# Altium PCB SI945D.PCBDOC (part 1 of 2) (continued)
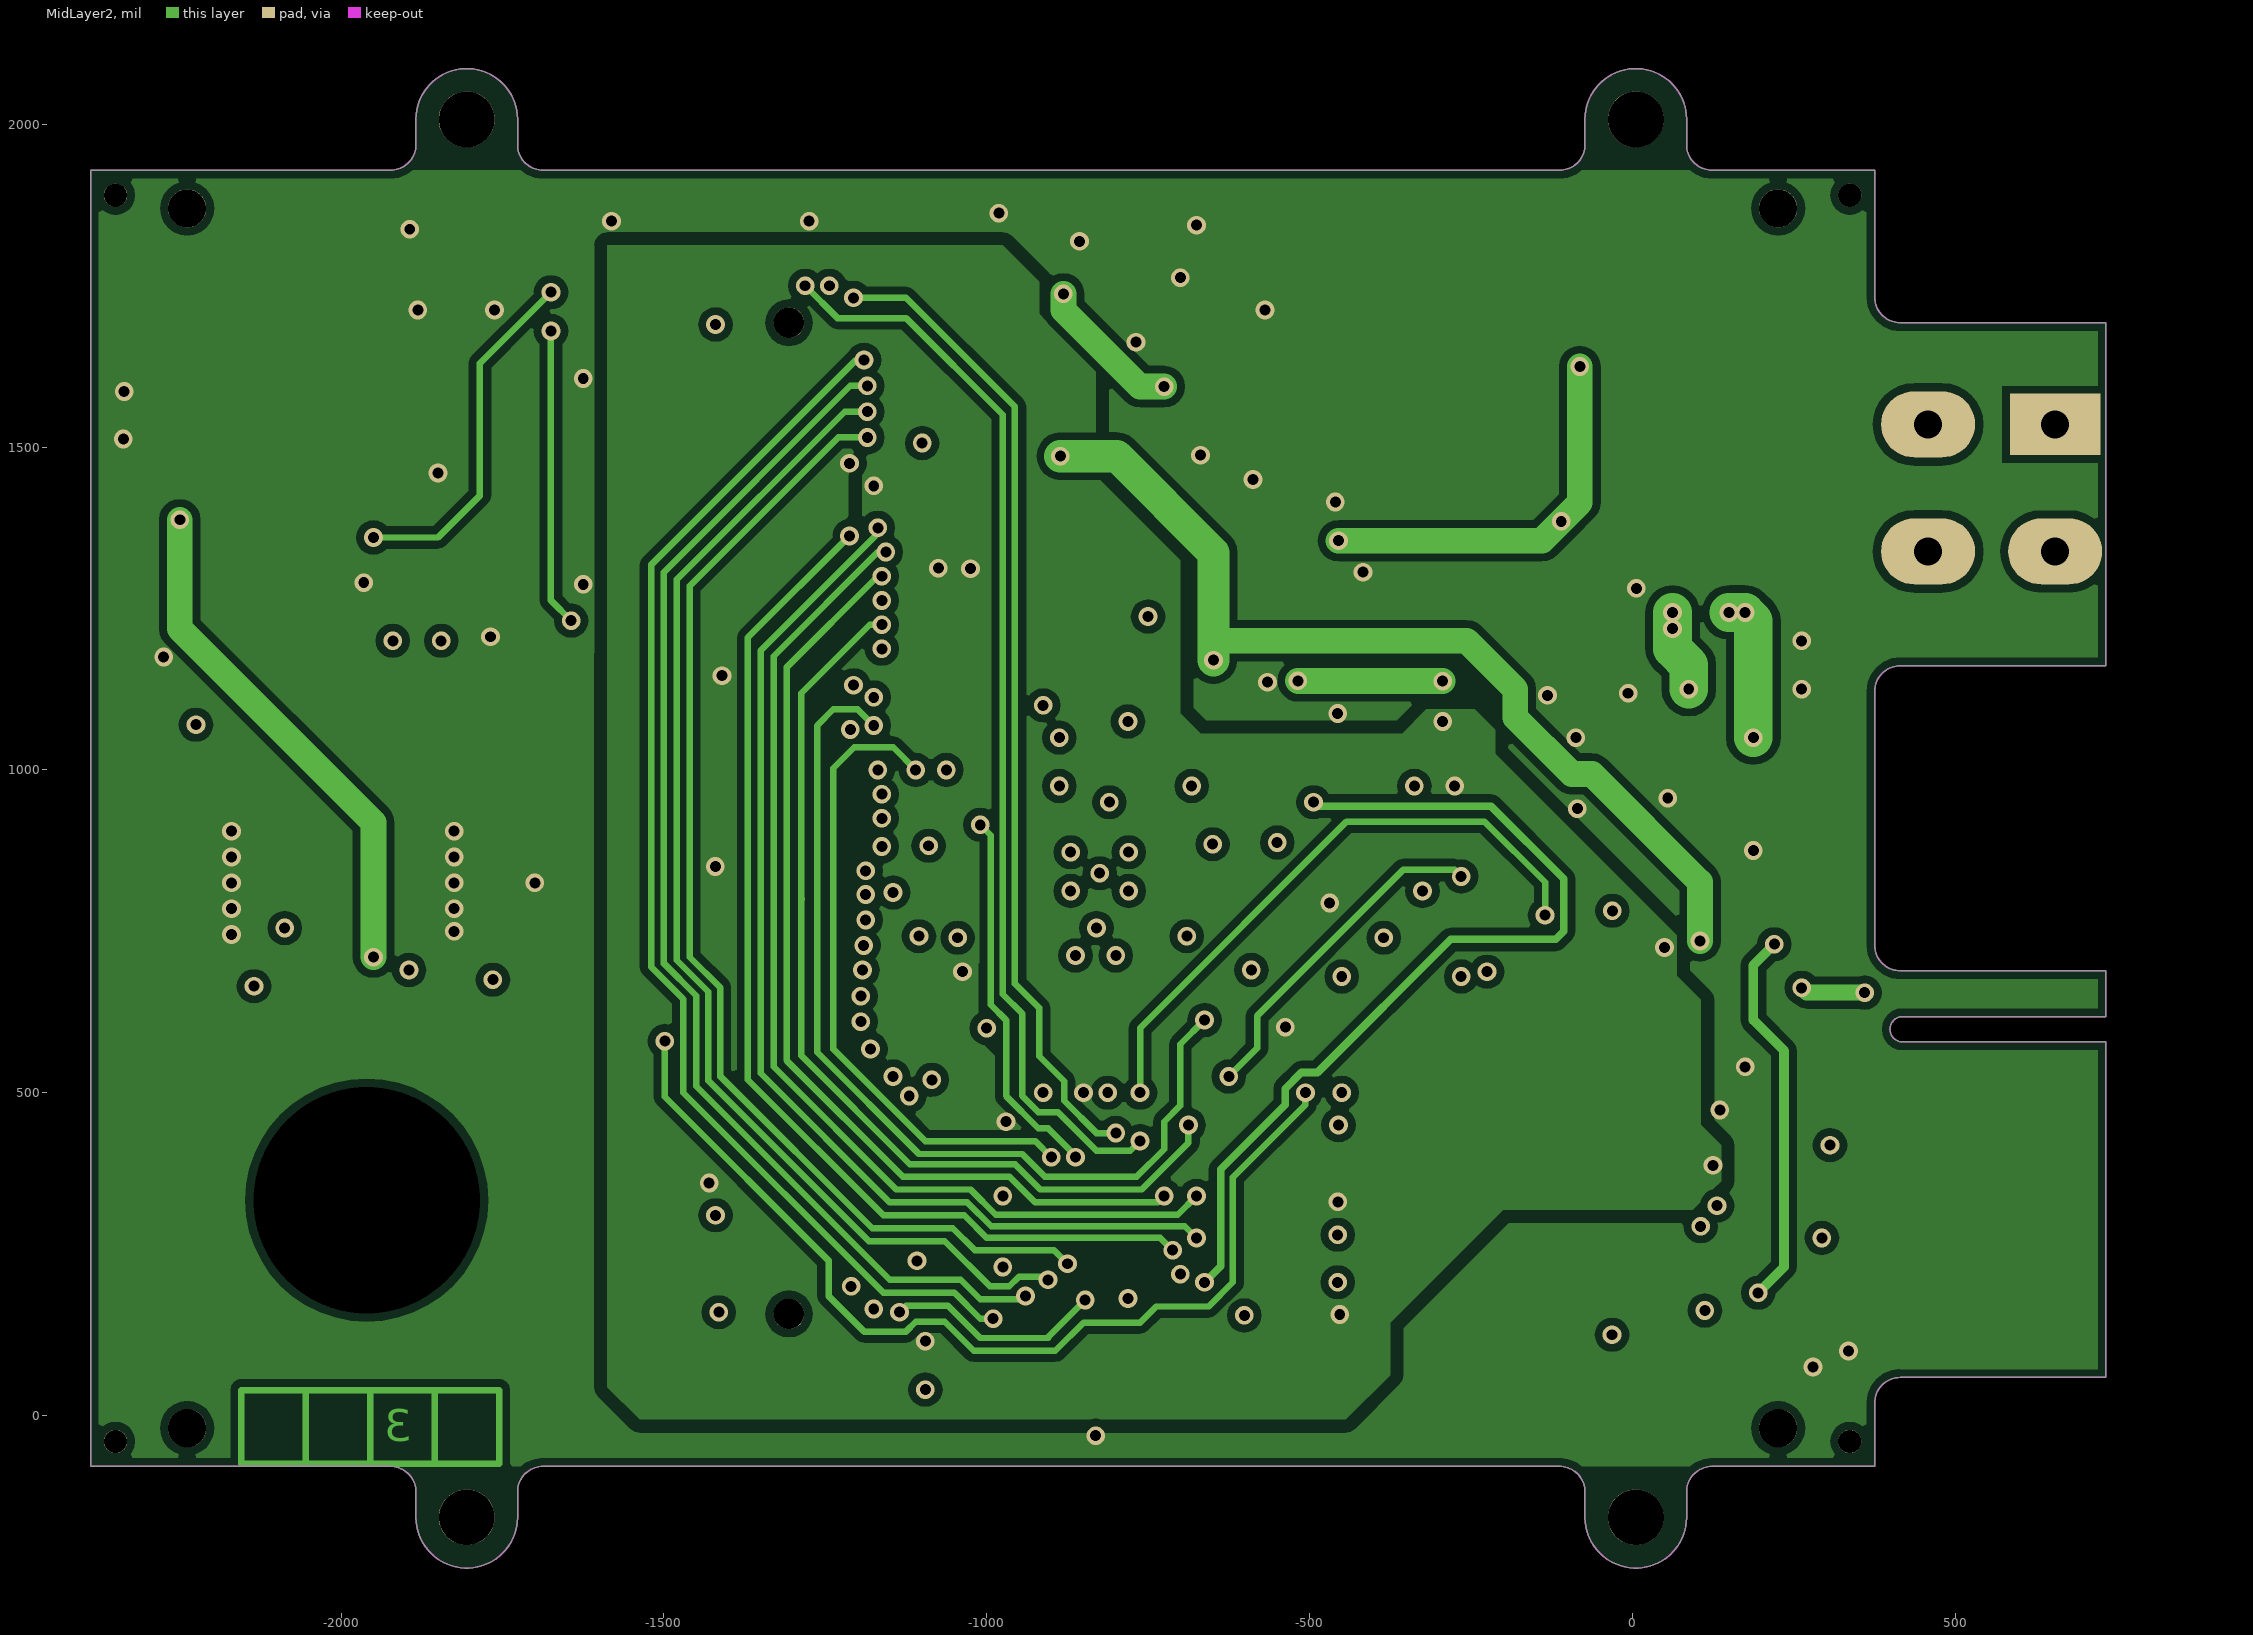
[diagram p3: MidLayer2]
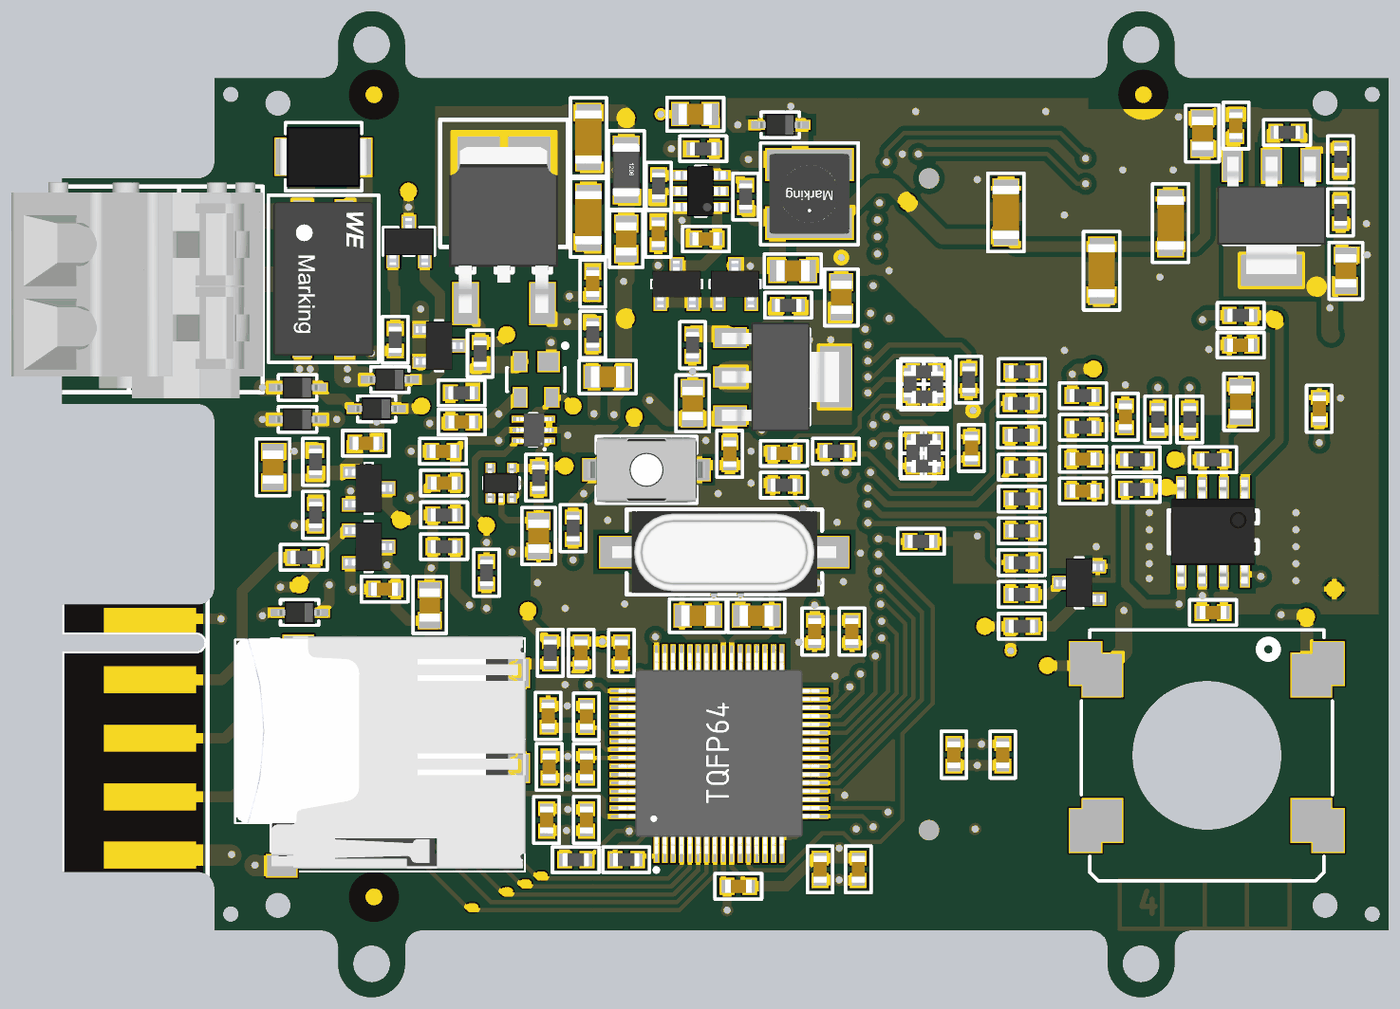
[diagram p5: 3D render of the assembled board from below, using the file's embedded part models]

## Layer stack, top to bottom
Top Mask: solder mask 0.4, Solder Resist, Dk 3.5
Top: signal copper 1.378
Dielectric1: prepreg 15.748, FR-4, Dk 4.8
MidLayer1: signal copper 1.378
Dielectric2: core 27.9528, FR-4, Dk 4.8
MidLayer2: signal copper 1.378
Dielectric3: prepreg 15.748, FR-4, Dk 4.8
Bottom: signal copper 0.7087
Bot Mask: solder mask 0.4, Solder Resist, Dk 3.5

## Board outline
-1884.25,-157.68 -1884.25,-118.31 ccw(c-1923.62,-118.31) -1923.62,-78.94 -2388.19,-78.94 -2388.19,1928.94 -1923.62,1928.94 ccw(c-1923.62,1968.31) -1884.25,1968.31 -1884.25,2007.68 cw(c-1805.51,2007.68) -1726.77,2007.68 -1726.77,1968.31 ccw(c-1687.4,1968.31) -1687.4,1928.94 -112.6,1928.94 ccw(c-112.6,1968.31) -73.23,1968.31 -73.23,2007.68 cw(c5.51,2007.68) 84.25,2007.68 84.25,1968.31 ccw(c123.62,1968.31) 123.62,1928.94 375.59,1928.94 375.59,1732.09 ccw(c414.96,1732.09) 414.96,1692.72 733.86,1692.72 733.86,1161.22 414.96,1161.22 ccw(c414.96,1121.85) 375.59,1121.85 375.59,728.15 ccw(c414.96,728.15) 414.96,688.78 733.86,688.78 733.86,617.91 418.9,617.91 ccw(c418.9,598.23) 418.9,578.54 733.86,578.54 733.86,58.86 414.96,58.86 ccw(c414.96,19.49) 375.59,19.49 375.59,-78.94 123.62,-78.94 ccw(c123.62,-118.31) 84.25,-118.31 84.25,-157.68 cw(c5.51,-157.68) -73.23,-157.68 -73.23,-118.31 ccw(c-112.6,-118.31) -112.6,-78.94 -1687.4,-78.94 ccw(c-1687.4,-118.31) -1726.77,-118.31 -1726.77,-157.68 cw(c-1805.51,-157.68)

## Design rules (kind name [scope] priority, off if disabled: settings)
Clearance Clearance_BT_MID [IsElectrical      and (InNetClass('BT')) and OnMid     and not IsRegion vs IsElectrical      and not (InNetClass('BT')) and OnMid          and not IsRegion] p1 off: gap=27.56
Clearance Clearance_BT_EXT [IsElectrical      and (InNetClass('BT')) and not OnMid vs IsElectrical      and not (InNetClass('BT'))    and not OnMid] p2 off: gap=216.54
Clearance Clearance_Copper_Copper [IsRegion vs IsRegion] p3: gap=20
Clearance Clearance_Copper_MID [IsRegion      and OnMid vs IsPad] p4: gap=12.5
Clearance Clearance_Copper_EXT [IsRegion        and not OnMid vs IsPad         and not OnMid] p5: gap=13.78
Clearance Clearance_x_CopperToWire [IsRegion vs (not IsPad)] p6: gap=11.81
Clearance Clearance_x_PadToPad [IsElectrical      and IsPad vs IsElectrical      and IsPad] p7: gap=5.91
Clearance Clearance_x_PadToLine [IsElectrical      and IsPad vs IsElectrical      and IsWire] p8: gap=5.91
Clearance Clearance_x_WireToWire [IsWire vs IsWire] p9: gap=5.91
Clearance Clearance_x_ViaToPad [IsVia vs IsPad] p10: gap=5.91
Clearance Clearance_x_ViaToWire [IsVia vs IsWire] p11: gap=5.91
Clearance Clearance_x_ViaToVia [ExistsOnLayer('Top') And IsVia vs ExistsOnLayer('Top') And IsVia] p12: gap=5.91
Clearance Clearance_Design_HoleToHole [(IsVia Or IsThruPin) vs (IsVia Or IsThruPin)] p13: gap=5.91
ComponentClearance [All] p1: gap=10 collisioncheckmode=3 verticalgap=100000 showdistances=FALSE
FabricationTestPointUsage TestPointUsage [All] p1: valid=0 allowmultiple=FALSE
FabricationTestpoint Testpoint [All] p1: side=3 testpointundercomponent=TRUE minsize=40 maxsize=100 preferedsize=60 minholesize=0 maxholesize=40 preferedholesize=32 testpointgrid=1 allowsidetop=TRUE allowsidebottom=TRUE usegrid=TRUE gridtolerance=0.01
HoleSize [All] p1: absolutevalues=TRUE maxlimit=400 minlimit=1 maxpercent=80.000 minpercent=20.000
MinimumSolderMaskSliver [All] p1: minsoldermaskwidth=4
PasteMaskExpansion [All] p1: expansion=-2
PlaneClearance [All] p1: clearance=12
PlaneConnect [All] p1: planeconnectstyle=Direct reliefexpansion=0 reliefentries=4 reliefconductorwidth=10 reliefairgap=10
PolygonConnect PolygonConnect_1 [IsVia vs IsPolygon] p1: connectstyle=Direct reliefconductorwidth=10 reliefentries=4 polygonreliefangle="90 Angle" airgapwidth=10
PolygonConnect [IsPad vs IsPolygon] p2: connectstyle=Relief reliefconductorwidth=12 reliefentries=4 polygonreliefangle="90 Angle" airgapwidth=10
RoutingVias [All] p1: holewidth=17 width=29 viastyle="Through Hole" minholewidth=17 minwidth=29 maxholewidth=17 maxwidth=29
ShortCircuit [IsElectrical vs IsElectrical] p1: allowed=FALSE
SilkToSolderMaskClearance SilkscreenOverComponentPads [IsPad] p1: minsilkscreentomaskgap=10 clearancetoexposedcopper=TRUE
SolderMaskExpansion [All] p1: expansion=4
Width [All] p1: maxlimit=300 minlimit=6 preferedwidth=15 minimp=50.000000 maximp=50.000000 favimp=50.000000
20 further rules are at their usual default settings.

## Components (designator, comment, footprint, x,y, rotation, side; value= is the part's Value field where it differs from the comment)
C1 "C_0603_NPO_5%_1N-50V" 0603_ReflowSoldering_CAP -965,1045 r180 bottom
C2 "C_0603_NPO_5%_1N-50V" 0603_ReflowSoldering_CAP -1406.25,1057.65 r270 bottom
C3 "C_0603_X7R_10%_10N-50V" 0603_ReflowSoldering_CAP -781.25,1550 r180 bottom
C4 "C_0805_X5R_10%_10U-25V" 0805_ReflowSoldering_CAP#1 -593.75,1550 r90 bottom
C5 "C_0603_X7R_10%_100N-50V" 0603_ReflowSoldering_CAP -668.75,1562.5 r270 bottom
C6 "C_0805_X5R_10%_10U-16V" 0805_ReflowSoldering_CAP#1 -986,1475 r0 bottom
C7 "C_0805_X5R_10%_10U-16V" 0805_ReflowSoldering_CAP#1 -1950,1798.5 r270 bottom
C8 "C_0603_X7R_10%_100N-50V" 0603_ReflowSoldering_CAP -2028.95,1817.19 r90 bottom
C9 "C_0805_X5R_10%_10U-16V" 0805_ReflowSoldering_CAP#1 -2287.5,1475 r270 bottom
C10 "C_0603_X7R_10%_100N-50V" 0603_ReflowSoldering_CAP -25,725 r180 bottom
C11 "C_0805_X5R_10%_10U-16V" 0805_ReflowSoldering_CAP#1 -750,1162.5 r270 bottom
C12 "C_0603_X7R_10%_100N-50V" 0603_ReflowSoldering_CAP -837.5,1043.75 r270 bottom
C13 "C_0805_X5R_10%_10U-16V" 0805_ReflowSoldering_CAP#1 -1100,1412.5 r270 bottom
C14 "C_0603_X7R_10%_100N-50V" 0603_ReflowSoldering_CAP -1975,670 r0 bottom
C15 "C_0603_X7R_10%_100N-50V" 0603_ReflowSoldering_CAP -1668.75,1031.25 r0 bottom
C16 "C_0603_X7R_10%_100N-50V" 0603_ReflowSoldering_CAP -1768.75,1131.25 r270 bottom
C17 "C_0603_X7R_10%_10N-50V" 0603_ReflowSoldering_CAP -1668.75,956.25 r0 bottom
C18 "C_0603_X7R_10%_100N-50V" 0603_ReflowSoldering_CAP -2225,1150 r270 bottom
C19 "C_0805_NPO_5%_470P-100V" 0805_ReflowSoldering_CAP#1 237.5,1012.5 r90 bottom
C20 "C_1206_X5R_20%_22U-25V" 1206_ReflowSoldering_CAP -505,1600 r270 bottom
C21 "C_0603_X7R_10%_100N-50V" 0603_ReflowSoldering_CAP -206.58,1118.75 r180 bottom
C22 "C_0603_X7R_10%_100N-50V" 0603_ReflowSoldering_CAP -515,1445 r90 bottom
C23 "C_0805_X5R_10%_1U-25V" 0805_ReflowSoldering_CAP#2 -550,1225 r0 bottom
C24 "C_0603_X7R_10%_100N-50V" 0603_ReflowSoldering_CAP -165,975 r180 bottom
C25 "C_0603_X7R_10%_100N-50V" 0603_ReflowSoldering_CAP -162.5,1050 r180 bottom
C26 "C_0805_NPO_5%_470P-100V" 0805_ReflowSoldering_CAP#1 -387.5,850 r90 bottom
C27 "C_0603_X5R_10%_4.7U-6.3V" 0603_ReflowSoldering_CAP -1125,625 r90 bottom
C28 "C_0603_X7R_10%_100N-50V" 0603_ReflowSoldering_CAP -1037.5,625 r90 bottom
C29 "C_0603_X5R_10%_4.7U-6.3V" 0603_ReflowSoldering_CAP -1050,65 r90 bottom
C30 "C_0603_X7R_10%_100N-50V" 0603_ReflowSoldering_CAP -1140,65 r90 bottom
C31 "C_0603_X5R_10%_4.7U-6.3V" 0603_ReflowSoldering_CAP -582.5,575 r90 bottom
C32 "C_0603_X7R_10%_100N-50V" 0603_ReflowSoldering_CAP -487.5,575 r90 bottom
C33 "C_0603_X5R_10%_4.7U-6.3V" 0603_ReflowSoldering_CAP -412.5,306.25 r90 bottom
C34 "C_0603_X7R_10%_100N-50V" 0603_ReflowSoldering_CAP -500,306.25 r90 bottom
C35 "C_0603_X5R_10%_4.7U-6.3V" 0603_ReflowSoldering_CAP -857.65,25 r180 bottom
C36 "C_0603_X7R_10%_100N-50V" 0603_ReflowSoldering_CAP -406.25,181.25 r270 bottom
C37 "C_0603_X5R_10%_4.7U-6.3V" 0603_ReflowSoldering_CAP -410,426.4 r270 bottom
C38 "C_0603_X7R_10%_100N-50V" 0603_ReflowSoldering_CAP -500,425 r270 bottom
C39 "C_0805_NPO_5%_22P-100V" 0805_ReflowSoldering_CAP#1 -900,662.5 r180 bottom
C40 "C_0805_NPO_5%_22P-100V" 0805_ReflowSoldering_CAP#1 -762.5,662.5 r0 bottom
C41 "C_0603_X7R_10%_100N-50V" 0603_ReflowSoldering_CAP -500,181.25 r270 bottom
C42 "C_0603_X5R_10%_4.7U-6.3V" 0603_ReflowSoldering_CAP -1365,335 r90 bottom
C43 "C_0603_X7R_10%_100N-50V" 0603_ReflowSoldering_CAP -1480,335 r90 bottom
C44 "C_0805_X5R_10%_1U-25V" 0805_ReflowSoldering_CAP#2 -2040,1166.02 r270 bottom
C45 "C_0603_X7R_10%_100N-50V" 0603_ReflowSoldering_CAP -2040,1300 r180 bottom
C46 "C_0603_NPO_5%_1N-50V" 0603_ReflowSoldering_CAP 18.75,1068.75 r0 bottom
C47 "C_1206_X5R_20%_100U-10V" 1206_ReflowSoldering_CAP -1712.5,1475 r90 bottom
C48 "C_1206_X5R_20%_22U-25V" 1206_ReflowSoldering_CAP -505,1790 r90 bottom
C49 "C_1206_X5R_20%_100U-10V" 1206_ReflowSoldering_CAP -1875,1587.5 r270 bottom
C50 "C_1206_X5R_20%_100U-10V" 1206_ReflowSoldering_CAP -1487.5,1612.5 r270 bottom
C51 "C_0805_NPO_5%_470P-100V" 0805_ReflowSoldering_CAP#2 -131.25,687.5 r90 bottom
C52 "C_0805_NPO_5%_22P-100V" 0805_ReflowSoldering_CAP#1 -756.25,1843.75 r180 bottom (schematic designator C39)
D1 "BZX84C2V7" SOT23_3L_ReflowSoldering#1 -850,1443.75 r270 bottom
D2 "BAT54C" SOT23_3L_ReflowSoldering#1 -712.5,1443.75 r270 bottom
D3 "PMEG2020AEA" SOD323_ReflowSoldering -956.25,1818.75 r0 bottom
D4 "PMEG2020AEA" SOD323_ReflowSoldering 175,670 r0 bottom
D5 "PMEG4010CEJ" SOD323_ReflowSoldering -6.25,1150 r0 bottom
D6 "PMEG4010CEJ" SOD323_ReflowSoldering -37.5,1218.75 r0 bottom
D7 "SMBJ16CA" DO214AA-SMB-NP_ReflowSoldering 118.75,1743.75 r180 bottom
D8 "PMEG4010CEJ" SOD323_ReflowSoldering 180,1125 r0 bottom
D9 "PMEG4010CEJ" SOD323_ReflowSoldering 180,1200 r0 bottom
D10 "BAT54C" SOT23_3L_ReflowSoldering#1 -153.31,1298.39 r0 bottom
DOC1 "DOCUMENT_FAB_CARTE_SDFC" NULL 961,5312.5 r90 top
J1 "EMB_ZEC_1893711_HOTE" EMB_ZEC_1893711_HOTE_NOBOTT 527.16,373.82 r270 bottom
J2 "BLEV_CI_45D_5.08_02_256-402/333-000" BVIS_02_WAGO_256-402/333-000 556.69,1436.81 r270 bottom
J3 "SUP_MICRO_SD_CARD_BL_PUSH-PUSH_693071010811" SUP_MICRO_SD_BL_PUSH-PUSH_693071010811+USD 242.91,334.25 r90 bottom
JT1 "POINT_TEST_PAD_40MIL" PAD_CMS_40X40_E -1693.75,1243.75 r90 bottom
JT2 "POINT_TEST_PAD_40MIL" PAD_CMS_40X40_E -1865,965 r90 bottom
JT3 "POINT_TEST_PAD_40MIL" PAD_CMS_40X40_E -1885,1030 r90 bottom
JT4 "POINT_TEST_PAD_40MIL" PAD_CMS_40X40_E -2260,725 r90 bottom
JT5 "POINT_TEST_PAD_40MIL" PAD_CMS_40X40_E -2120,1360 r90 bottom
JT6 "POINT_TEST_PAD_40MIL" PAD_CMS_40X40_E -2195,660 r90 bottom
JT7 "POINT_TEST_PAD_40MIL" PAD_CMS_40X40_E -1585,545 r90 bottom
JT8 "POINT_TEST_PAD_40MIL" PAD_CMS_40X40_E 175,735 r90 bottom
JT9 "POINT_TEST_PAD_40MIL" PAD_CMS_40X40_E -62.5,887.5 r90 bottom
JT10 "POINT_TEST_PAD_40MIL" PAD_CMS_40X40_E -265,875 r90 bottom
JT11 "POINT_TEST_PAD_40MIL" PAD_CMS_40X40_E -450,1015 r90 bottom
JT12 "PAD_CMS_20X20_E" PAD_CMS_20X20_E -231.25,-25 r90 bottom
JT13 "PAD_CMS_20X20_E" PAD_CMS_20X20_E -312.5,12.5 r90 bottom
JT14 "PAD_CMS_20X20_E" PAD_CMS_20X20_E -393.75,50 r90 bottom
JT15 "PAD_CMS_20X20_E" PAD_CMS_20X20_E -356.25,31.25 r90 bottom
JT16 "POINT_TEST_PAD_40MIL" PAD_CMS_40X40_E -1256.25,1637.5 r90 bottom
JT17 "POINT_TEST_PAD_40MIL" PAD_CMS_40X40_E -2218.75,1437.5 r90 bottom
JT18 "POINT_TEST_PAD_40MIL" PAD_CMS_40X40_E -362.5,675 r90 bottom
JT19 "POINT_TEST_PAD_40MIL" PAD_CMS_40X40_E -112.5,1156.25 r90 bottom
JT20 "POINT_TEST_PAD_40MIL" PAD_CMS_40X40_E -81.25,1662.5 r90 bottom
JT21 "POINT_TEST_PAD_40MIL" PAD_CMS_40X40_E -595,1835 r90 bottom
JT22 "POINT_TEST_PAD_40MIL" PAD_CMS_40X40_E -312.5,1325 r90 bottom
JT23 "POINT_TEST_PAD_40MIL" PAD_CMS_40X40_E -593.75,1362.5 r90 bottom
JT24 "POINT_TEST_PAD_40MIL" PAD_CMS_40X40_E -468.75,1156.25 r90 bottom
JT25 "POINT_TEST_PAD_40MIL" PAD_CMS_40X40_E -1437.5,637.5 r90 bottom
JT26 "POINT_TEST_PAD_40MIL" PAD_CMS_40X40_E -612.5,1131.25 r90 bottom
L1 "SELF_10UH_1.19A_744043100" SELF_WE-TPC_4.8x4.78_(type4828) -1025,1656.25 r270 bottom
L2 "IND_FERRITE_1206_74279218" 1206_ReflowSoldering_FERRITE -593.75,1712.5 r270 bottom
L4 "IND_FERRITE_WE-SL2_2X10UH" SELF_WE-SL2_9.2x6 118.75,1456.25 r270 bottom
MIR1 "MIRE_PICK-N-PLACE" MIRE_PICK-N-PLACE_D1MM_VE3MM 0,0 r180 bottom
MIR2 "MIRE_PICK-N-PLACE" MIRE_PICK-N-PLACE_D1MM_VE3MM 0,1889.76 r180 bottom
MIR3 "MIRE_PICK-N-PLACE" MIRE_PICK-N-PLACE_D1MM_VE3MM -1811.02,1889.76 r180 bottom
Q1 "QUARTZ_HC49/4HSMX_12M" QUARTZ_HC49_11.5X5_CMS -824.51,812.5 r0 bottom
R1 "RES_0603_1%_100PPM_47K" 0603_ReflowSoldering_RES -965,970 r180 bottom
R2 "RES_0603_1%_100PPM_47K" 0603_ReflowSoldering_RES -1087.5,1050 r180 bottom
R3 "RES_0603_1%_100PPM_10K" 0603_ReflowSoldering_RES -670,1675 r270 bottom
R4 "RES_0603_1%_100PPM_10K" 0603_ReflowSoldering_RES -775,1762.5 r180 bottom
R5 "RES_0603_1%_100PPM_71.5K" 0603_ReflowSoldering_RES -875,1650 r270 bottom
R6 "RES_0603_1%_100PPM_120R" 0603_ReflowSoldering_RES -2149,1801 r0 bottom
R7 "RES_0603_1%_100PPM_180R" 0603_ReflowSoldering_RES -2275,1737.5 r90 bottom
R8 "RES_0603_1%_100PPM_180R" 0603_ReflowSoldering_RES -2275,1612.5 r90 bottom
R9 "RES_0603_1%_100PPM_120R" 0603_ReflowSoldering_RES -975,1393.75 r180 bottom
R10 "RES_0603_1%_100PPM_180R" 0603_ReflowSoldering_RES -750,1300 r90 bottom
R11 "RES_0603_1%_100PPM_0R" 0603_ReflowSoldering_RES -593.75,87.5 r180 bottom
R12 "RES_0603_1%_100PPM_12R" 0603_ReflowSoldering_RES -250,1280 r90 bottom
R13 "RES_0603_1%_100PPM_0R" 0603_ReflowSoldering_RES -1975,1030 r180 bottom
R14 "RES_0603_1%_100PPM_82K" 0603_ReflowSoldering_RES -1795,960 r0 bottom
R15 "RES_0603_1%_100PPM_2.2K" 0603_ReflowSoldering_RES -1668.75,1181.25 r180 bottom
R16 "RES_0603_1%_100PPM_4.7K" 0603_ReflowSoldering_RES -1668.75,1106.25 r0 bottom
R17 "RES_0603_1%_100PPM_4.7K" 0603_ReflowSoldering_RES -1795,1030 r180 bottom
R18 "RES_0603_1%_100PPM_4.7K" 0603_ReflowSoldering_RES -1920,1125 r270 bottom
R19 "RES_0603_1%_100PPM_2.2K" 0603_ReflowSoldering_RES -2040,1370 r180 bottom
R21 "RES_0603_1%_100PPM_82K" 0603_ReflowSoldering_RES -1845,1125 r90 bottom
R22 "RES_0603_1%_100PPM_2.2K" 0603_ReflowSoldering_RES -1525,637.5 r180 bottom
R23 "RES_0603_1%_100PPM_470R" 0603_ReflowSoldering_RES 165,800 r0 bottom
R24 "RES_0603_1%_100PPM_470R" 0603_ReflowSoldering_RES -165,825 r180 bottom
R25 "RES_0603_1%_100PPM_215R" 0603_ReflowSoldering_RES -515,1325 r90 bottom
R26 "RES_0603_1%_100PPM_10K" 0603_ReflowSoldering_RES 137.5,1025 r90 bottom
R27 "RES_0603_1%_100PPM_10K" 0603_ReflowSoldering_RES -165,900 r180 bottom
R28 "RES_0603_1%_100PPM_470R" 0603_ReflowSoldering_RES -265,763.6 r270 bottom
R29 "RES_0603_1%_100PPM_22K" 0603_ReflowSoldering_RES -206.25,1187.5 r180 bottom
R30 "RES_0603_1%_100PPM_4.7K" 0603_ReflowSoldering_RES 137.5,900 r90 bottom
R31 "RES_0603_1%_100PPM_18K" 0603_ReflowSoldering_RES -387.5,987.5 r90 bottom
R32 "RES_0603_1%_100PPM_4.7K" 0603_ReflowSoldering_RES -475,87.5 r0 bottom
R33 "RES_0603_1%_100PPM_4.7K" 0603_ReflowSoldering_RES -415,575 r90 bottom
R34 "RES_0603_1%_100PPM_3.3K" 0603_ReflowSoldering_RES -50,1312.5 r90 bottom
R35 "RES_0603_1%_100PPM_4.7K" 0603_ReflowSoldering_RES -468.75,868.75 r270 bottom
R101 "RES_0603_1%_100PPM_0R" 0603_ReflowSoldering_RES -1262.5,1207.65 r90 bottom
R102 "RES_0603_1%_100PPM_0R" 0603_ReflowSoldering_RES -1295,1177.65 r180 bottom
R103 "RES_0603_1%_100PPM_0R" 0603_ReflowSoldering_RES -1295,1237.65 r0 bottom
R104 "RES_0603_1%_100PPM_0R" 0603_ReflowSoldering_RES -1325,1207.65 r270 bottom
R105 "RES_0603_1%_100PPM_0R" 0603_ReflowSoldering_RES -1318.75,1045.15 r90 bottom
R106 "RES_0603_1%_100PPM_0R" 0603_ReflowSoldering_RES -1294.85,1015.15 r0 bottom
R107 "RES_0603_1%_100PPM_0R" 0603_ReflowSoldering_RES -1294.85,1075.15 r180 bottom
R108 "RES_0603_1%_100PPM_0R" 0603_ReflowSoldering_RES -1268.75,1045.15 r270 bottom
R109 "RES_0603_1%_100PPM_0R" 0603_ReflowSoldering_RES -1400,1218.75 r90 bottom
R111 "RES_0603_1%_100PPM_0R" 0603_ReflowSoldering_RES -1287.5,837.5 r0 bottom
R121 "RES_0603_1%_100PPM_180R" 0603_ReflowSoldering_RES -1523.6,1162.5 r0 bottom
R122 "RES_0603_1%_100PPM_130R" 0603_ReflowSoldering_RES -1525,1237.5 r0 bottom
R123 "RES_0603_1%_100PPM_180R" 0603_ReflowSoldering_RES -1525,1012.5 r0 bottom
R124 "RES_0603_1%_100PPM_130R" 0603_ReflowSoldering_RES -1523.6,1087.5 r0 bottom
R125 "RES_0603_1%_100PPM_180R" 0603_ReflowSoldering_RES -1525,937.5 r0 bottom
R126 "RES_0603_1%_100PPM_130R" 0603_ReflowSoldering_RES -1525,862.5 r0 bottom
R127 "RES_0603_1%_100PPM_180R" 0603_ReflowSoldering_RES -1525,712.5 r0 bottom
R128 "RES_0603_1%_100PPM_130R" 0603_ReflowSoldering_RES -1525,787.5 r0 bottom
S1 "INTP_D_1C-1P_ON-MOM_434123025816" SWITCH_ON_MOM_WS_TRS_CMS -641.5,1006.18 r180 bottom
SI1 "SI945D" CIRCUIT_IMPRIME_SI_STD -1262.5,-6.25 r180 bottom
SPK1 "SPEAKER_8R_0.5W_NDT-03C" SPEAKER_15x15MM_NDT-03C_SMS1313-08H04LF -1960.43,333.46 r0 bottom
T1 "BC847C" SOT23_3L_ReflowSoldering#1 -1660,740 r180 bottom
T3 "NSS60200LT1G" SOT23_3L_ReflowSoldering#2 -82.23,1543.75 r270 bottom
T4 "BC847C" SOT23_3L_ReflowSoldering#1 12.5,962.5 r0 bottom
T5 "NTD2955G" DPAK -306.25,1681.25 r270 bottom
U1 "LMR12010YMK" SOT23_6L -768.75,1662.5 r180 bottom
U2 "LD1117STR" SOT223 -2112.5,1600 r90 bottom
U3 "LD1117STR" SOT223 -962.5,1225 r0 bottom